# KiCad board Motherboard.kicad_pcb
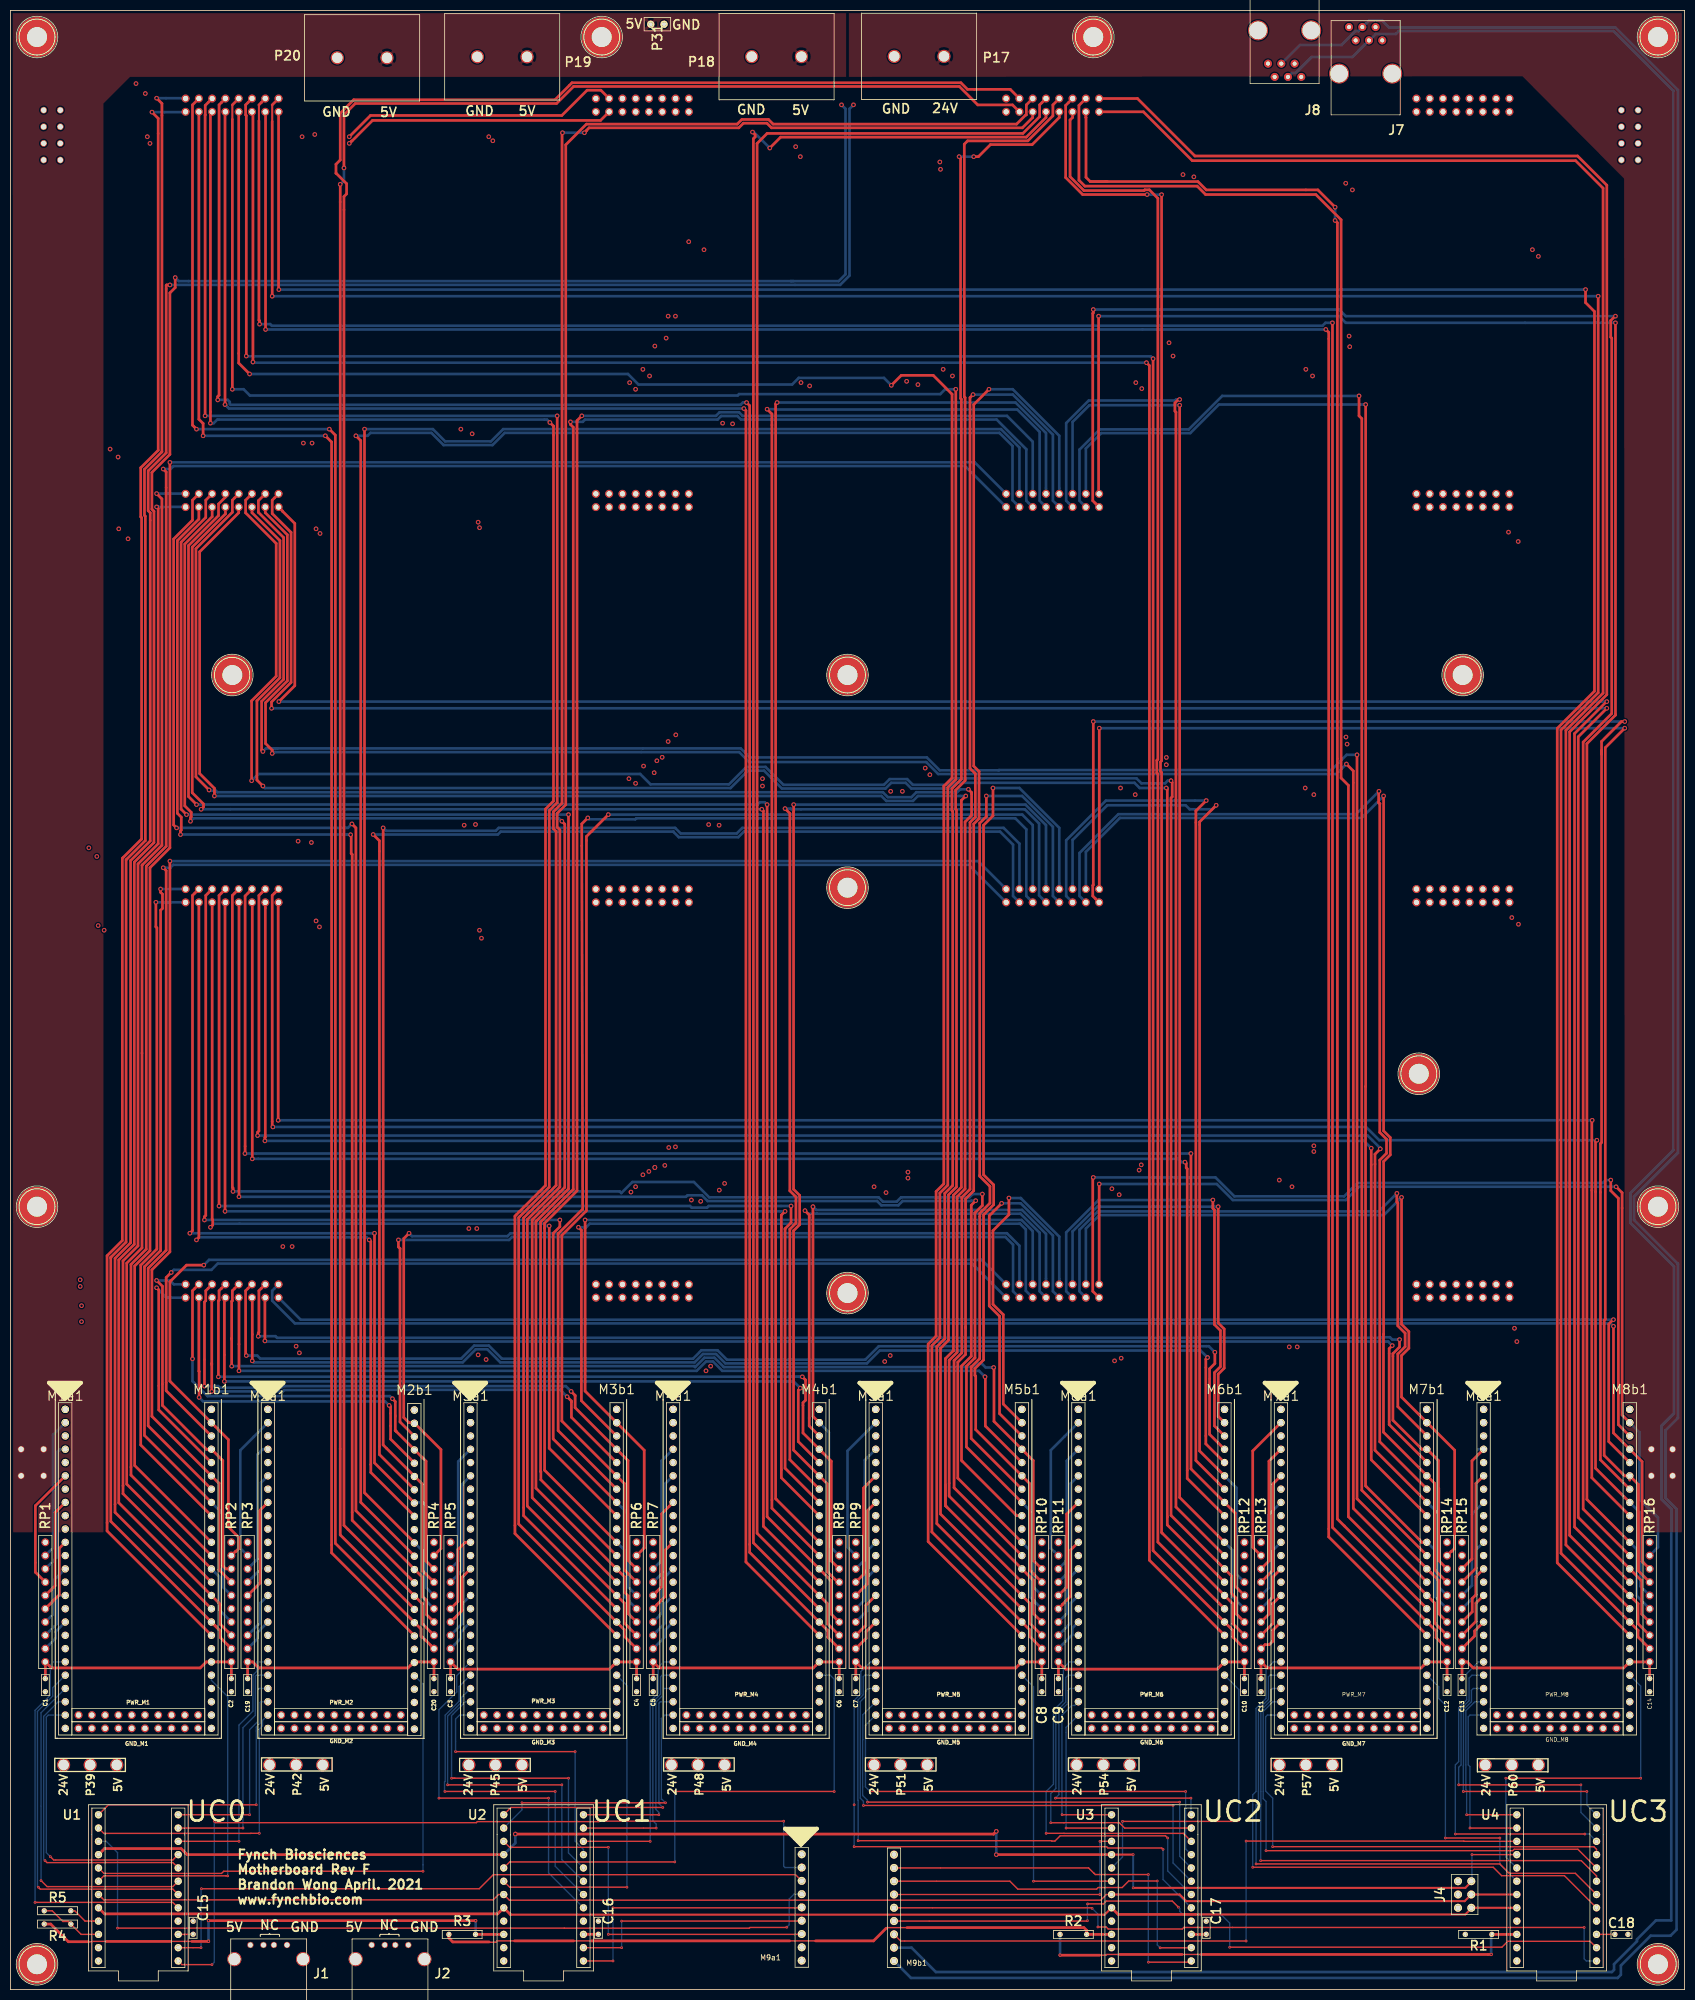
[diagram p0: board, top side]
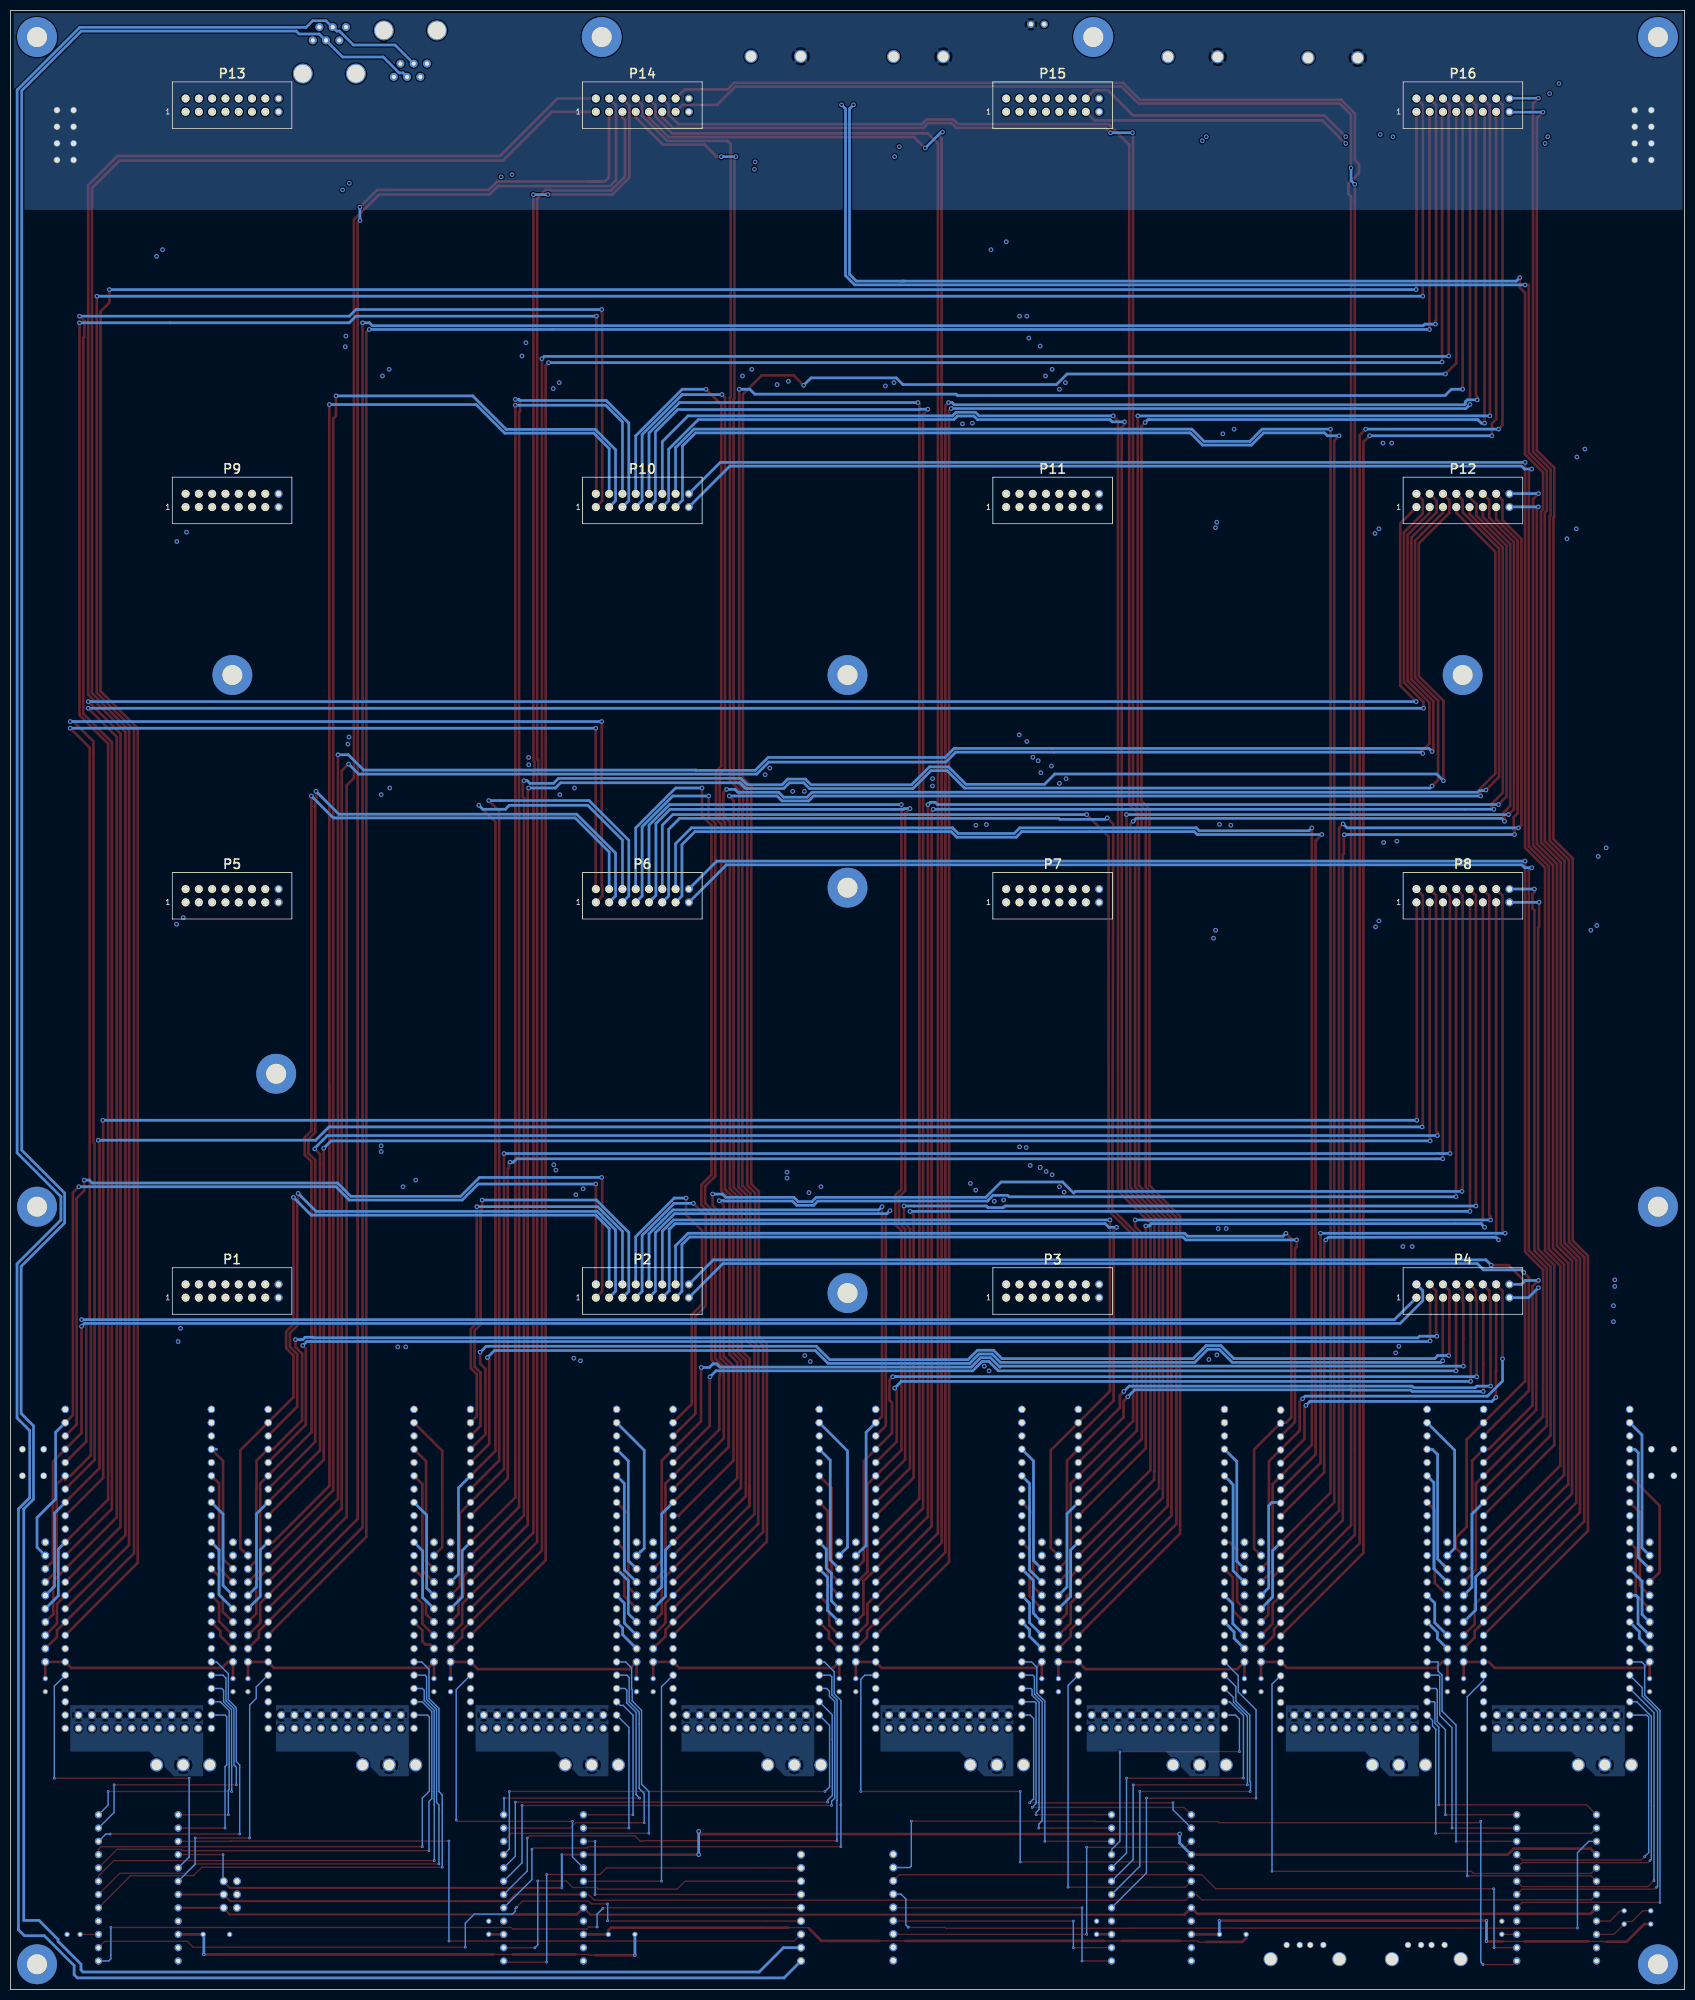
[diagram p1: board, bottom side, seen from below]

Outline 320.04 x 378.21 mm; copper layers: Top, In1.Cu, In2.Cu, Bottom. Coordinates in mm from the lower left corner of the outline.
Outline path: 0,378.21 0,0 320.04,0 320.04,378.21 0,378.21

## Placement (name value [footprint] x y rotation side)
C1  1uF  [FK18X5R0J105K]  6.67 58.17 90 top
C2  1uF  [FK18X5R0J105K]  42.23 58.17 90 top
C3  1uF  [FK18X5R0J105K]  84.14 58.17 90 top
C4  1uF  [FK18X5R0J105K]  119.7 58.17 90 top
C5  1uF  [FK18X5R0J105K]  122.87 58.17 90 top
C6  1uF  [FK18X5R0J105K]  158.43 58.17 90 top
C7  1uF  [FK18X5R0J105K]  161.61 58.17 90 top
C8  1uF  [FK18X5R0J105K]  197.17 58.17 90 top
C9  1uF  [FK18X5R0J105K]  200.34 58.17 90 top
C10  1uF  [FK18X5R0J105K]  235.9 58.17 90 top
C11  1uF  [FK18X5R0J105K]  239.08 58.17 90 top
C12  1uF  [FK18X5R0J105K]  274.64 58.17 90 top
C13  1uF  [FK18X5R0J105K]  277.5 58.17 90 top
C14  1uF  [FK18X5R0J105K]  313.37 58.17 90 top
C15  10 uF  [FK18X5R0J105K]  34.93 11.81 90 top
C16  10 uF  [FK18X5R0J105K]  112.39 11.81 90 top
C17  10 uF  [FK18X5R0J105K]  228.6 11.81 90 top
C18  10 uF  [FK18X5R0J105K]  307.98 10.54 0 top
C19  1uF  [FK18X5R0J105K]  45.34 58.17 90 top
C20  1uF  [FK18X5R0J105K]  80.96 58.17 90 top
GND_M1  CONN_01X10  [10_pin_10in_BW]  24.45 49.91 0 top
GND_M2  CONN_01X10  [10_pin_10in_BW]  63.18 49.91 0 top
GND_M3  CONN_01X10  [10_pin_10in_BW]  101.92 49.91 0 top
GND_M4  CONN_01X10  [10_pin_10in_BW]  140.65 49.91 0 top
GND_M5  CONN_01X10  [10_pin_10in_BW]  179.39 49.91 0 top
GND_M6  CONN_01X10  [10_pin_10in_BW]  218.12 49.91 0 top
GND_M7  CONN_01X10  [10_pin_10in_BW]  256.86 49.91 0 top
GND_M8  CONN_01X10  [10_pin_10in_BW]  295.59 49.91 0 top
J1  USB_A  [USB-A]  49.37 8.52 0 top
J2  USB_A  [USB-A]  72.56 8.52 0 top
J4  CONN_02X03  [2x3_pin_10in]  278 18.16 270 top
J7  RJ14  [609-1064-ND]  259.08 366.14 0 top
J8  RJ14  [609-5080-ND]  243.59 374.4 180 top
M1a1  conn:CONN_01X25_LEFT  [25_pin_10in_left]  10.48 80.39 0 top
M1b1  conn:CONN_01X25_RIGHT  [25_pin_10in_RIGHT]  38.42 80.39 0 top
M2a1  conn:CONN_01X25_LEFT  [25_pin_10in_left]  49.21 80.39 0 top
M2b1  conn:CONN_01X25_RIGHT  [25_pin_10in_RIGHT]  77.22 80.26 0 top
M3a1  conn:CONN_01X25_LEFT  [25_pin_10in_left]  87.95 80.39 0 top
M3b1  conn:CONN_01X25_RIGHT  [25_pin_10in_RIGHT]  115.89 80.39 0 top
M4a1  conn:CONN_01X25_LEFT  [25_pin_10in_left]  126.68 80.39 0 top
M4b1  conn:CONN_01X25_RIGHT  [25_pin_10in_RIGHT]  154.62 80.39 0 top
M5a1  conn:CONN_01X25_LEFT  [25_pin_10in_left]  165.42 80.39 0 top
M5b1  conn:CONN_01X25_RIGHT  [25_pin_10in_RIGHT]  193.36 80.39 0 top
M6a1  conn:CONN_01X25_LEFT  [25_pin_10in_left]  204.15 80.39 0 top
M6b1  conn:CONN_01X25_RIGHT  [25_pin_10in_RIGHT]  232.09 80.39 0 top
M7a1  conn:CONN_01X25_LEFT  [25_pin_10in_left]  242.89 80.39 0 top
M7b1  conn:CONN_01X25_RIGHT  [25_pin_10in_RIGHT]  270.76 80.39 0 top
M8a1  conn:CONN_01X25_LEFT  [25_pin_10in_left]  281.62 80.39 0 top
M8b1  conn:CONN_01X25_RIGHT  [25_pin_10in_RIGHT]  309.56 80.39 0 top
M9a1  conn:CONN_01X09_LEFT  [9_pin_10in_LEFT]  150.88 15.75 0 top
M9b1  conn:CONN_01X09_RIGHT  [9_pin_10in_RIGHT]  168.52 15.68 0 top
MH1  MountingHole  [mh_632]  5.08 373.13 0 top
MH2  MountingHole  [mh_632]  113.03 373.13 0 top
MH3  MountingHole  [mh_632]  207.01 373.13 0 top
MH4  MountingHole  [mh_632]  314.96 373.13 0 top
MH5  MountingHole  [mh_632]  42.42 251.21 0 top
MH6  MountingHole  [mh_632]  160.02 251.21 0 top
MH7  MountingHole  [mh_632]  277.62 251.21 0 top
MH8  MountingHole  [mh_632]  160.02 210.57 0 top
MH9  MountingHole  [mh_632]  269.24 175.01 0 top
MH10  MountingHole  [mh_632]  5.08 149.61 0 top
MH11  MountingHole  [mh_632]  314.96 149.61 0 top
MH12  MountingHole  [mh_632]  160.02 133.1 0 top
MH15  MountingHole  [mh_632]  5.08 4.83 0 top
MH16  MountingHole  [mh_632]  314.96 4.83 0 top
P1  CONN_02X08  [2x8_pin_10in]  277.67 133.49 180 bottom
P2  CONN_02X08  [2x8_pin_10in]  199.24 133.49 180 bottom
P3  CONN_02X08  [2x8_pin_10in]  120.8 133.49 180 bottom
P4  CONN_02X08  [2x8_pin_10in]  42.37 133.49 180 bottom
P5  CONN_02X08  [2x8_pin_10in]  277.67 209.03 180 bottom
P6  CONN_02X08  [2x8_pin_10in]  199.24 209.03 180 bottom
P7  CONN_02X08  [2x8_pin_10in]  120.8 209.03 180 bottom
P8  CONN_02X08  [2x8_pin_10in]  42.37 209.03 180 bottom
P9  CONN_02X08  [2x8_pin_10in]  277.67 284.57 180 bottom
P10  CONN_02X08  [2x8_pin_10in]  199.24 284.57 180 bottom
P11  CONN_02X08  [2x8_pin_10in]  120.8 284.57 180 bottom
P12  CONN_02X08  [2x8_pin_10in]  42.37 284.57 180 bottom
P13  CONN_02X08  [2x8_pin_10in]  277.67 360.11 180 bottom
P14  CONN_02X08  [2x8_pin_10in]  199.24 360.11 180 bottom
P15  CONN_02X08  [2x8_pin_10in]  120.8 360.11 180 bottom
P16  CONN_02X08  [2x8_pin_10in]  42.37 360.11 180 bottom
P17  SCREW_TERM_24V  [OSTYK51102030]  173.71 369.44 180 top
P18  SCREW_TERM_5V  [OSTYK51102030]  146.46 369.39 180 top
P19  SCREW_TERM_5V  [OSTYK51102030]  94.01 369.35 180 top
P20  SCREW_TERM_5V  [OSTYK51102030]  67.23 369.16 180 top
P31  CONN_01X02  [2_pin_10in]  122.41 375.58 90 top
P38  Jumper_Receptacle  [Pin_Header_Straight_1x01_Pitch5.08mm]  10.16 42.93 0 top
P39  Jumper_Receptacle  [Pin_Header_Straight_1x01_Pitch5.08mm]  15.24 42.93 0 top
P40  Jumper_Receptacle  [Pin_Header_Straight_1x01_Pitch5.08mm]  20.32 42.93 0 top
P41  Jumper_Receptacle  [Pin_Header_Straight_1x01_Pitch5.08mm]  49.53 42.93 0 top
P42  Jumper_Receptacle  [Pin_Header_Straight_1x01_Pitch5.08mm]  54.61 42.93 0 top
P43  Jumper_Receptacle  [Pin_Header_Straight_1x01_Pitch5.08mm]  59.69 42.93 0 top
P44  Jumper_Receptacle  [Pin_Header_Straight_1x01_Pitch5.08mm]  87.63 42.93 0 top
P45  Jumper_Receptacle  [Pin_Header_Straight_1x01_Pitch5.08mm]  92.71 42.93 0 top
P46  Jumper_Receptacle  [Pin_Header_Straight_1x01_Pitch5.08mm]  97.79 42.93 0 top
P47  Jumper_Receptacle  [Pin_Header_Straight_1x01_Pitch5.08mm]  126.36 42.93 0 top
P48  Jumper_Receptacle  [Pin_Header_Straight_1x01_Pitch5.08mm]  131.44 42.93 0 top
P49  Jumper_Receptacle  [Pin_Header_Straight_1x01_Pitch5.08mm]  136.53 42.93 0 top
P50  Jumper_Receptacle  [Pin_Header_Straight_1x01_Pitch5.08mm]  165.1 42.93 0 top
P51  Jumper_Receptacle  [Pin_Header_Straight_1x01_Pitch5.08mm]  170.18 42.93 0 top
P52  Jumper_Receptacle  [Pin_Header_Straight_1x01_Pitch5.08mm]  175.26 42.93 0 top
P53  Jumper_Receptacle  [Pin_Header_Straight_1x01_Pitch5.08mm]  203.84 42.93 0 top
P54  Jumper_Receptacle  [Pin_Header_Straight_1x01_Pitch5.08mm]  208.91 42.93 0 top
P55  Jumper_Receptacle  [Pin_Header_Straight_1x01_Pitch5.08mm]  214 42.93 0 top
P56  Jumper_Receptacle  [Pin_Header_Straight_1x01_Pitch5.08mm]  242.57 42.93 0 top
P57  Jumper_Receptacle  [Pin_Header_Straight_1x01_Pitch5.08mm]  247.65 42.93 0 top
P58  Jumper_Receptacle  [Pin_Header_Straight_1x01_Pitch5.08mm]  252.73 42.93 0 top
P59  Jumper_Receptacle  [Pin_Header_Straight_1x01_Pitch5.08mm]  281.94 42.93 0 top
P60  Jumper_Receptacle  [Pin_Header_Straight_1x01_Pitch5.08mm]  287.02 42.93 0 top
P61  Jumper_Receptacle  [Pin_Header_Straight_1x01_Pitch5.08mm]  292.1 42.93 0 top
PWR_M1  CONN_01X10  [10_pin_10in_BW]  24.45 52.45 0 top
PWR_M2  CONN_01X10  [10_pin_10in_BW]  63.18 52.45 0 top
PWR_M3  CONN_01X10  [10_pin_10in_BW]  101.92 52.45 0 top
PWR_M4  CONN_01X10  [10_pin_10in_BW]  140.65 52.45 0 top
PWR_M5  CONN_01X10  [10_pin_10in_BW]  179.39 52.45 0 top
PWR_M6  CONN_01X10  [10_pin_10in_BW]  218.12 52.45 0 top
PWR_M7  CONN_01X10  [10_pin_10in_BW]  256.86 52.45 0 top
PWR_M8  CONN_01X10  [10_pin_10in_BW]  295.59 52.45 0 top
R1  20k  [R_200mil]  280.67 10.54 180 top
R2  10k  [R_200mil]  203.2 10.54 180 top
R3  10k  [R_200mil]  86.36 10.54 180 top
R4  10k  [R_200mil]  9 12.51 180 top
R5  10k  [R_200mil]  9 15.05 180 top
RP1  9_R_01X10  [10_pin_10in_BW]  6.67 74.04 90 top
RP2  9_R_01X10  [10_pin_10in_BW]  42.23 74.04 90 top
RP3  9_R_01X10  [10_pin_10in_BW]  45.34 74.04 90 top
RP4  9_R_01X10  [10_pin_10in_BW]  80.96 74.04 90 top
RP5  9_R_01X10  [10_pin_10in_BW]  84.14 74.04 90 top
RP6  9_R_01X10  [10_pin_10in_BW]  119.7 74.04 90 top
RP7  9_R_01X10  [10_pin_10in_BW]  122.87 74.04 90 top
RP8  9_R_01X10  [10_pin_10in_BW]  158.43 74.04 90 top
RP9  9_R_01X10  [10_pin_10in_BW]  161.61 74.04 90 top
RP10  9_R_01X10  [10_pin_10in_BW]  197.17 74.04 90 top
RP11  9_R_01X10  [10_pin_10in_BW]  200.34 74.04 90 top
RP12  9_R_01X10  [10_pin_10in_BW]  235.9 74.04 90 top
RP13  9_R_01X10  [10_pin_10in_BW]  239.08 74.04 90 top
RP14  9_R_01X10  [10_pin_10in_BW]  274.64 74.04 90 top
RP15  9_R_01X10  [10_pin_10in_BW]  277.5 74.04 90 top
RP16  9_R_01X10  [10_pin_10in_BW]  313.37 74.04 90 top
TP1  via_stitch  [stitch_via]  2.03 103.25 0 top
TP2  via_stitch  [stitch_via]  2.03 98.17 0 top
TP3  via_stitch  [stitch_via]  6.35 103.25 0 top
TP4  via_stitch  [stitch_via]  6.35 98.17 0 top
TP5  via_stitch  [stitch_via]  317.75 103.25 0 top
TP6  via_stitch  [stitch_via]  313.69 98.17 0 top
TP7  via_stitch  [stitch_via]  313.69 103.25 0 top
TP8  via_stitch  [stitch_via]  317.75 98.17 0 top
TP9  via_stitch  [stitch_via]  6.35 359.16 0 top
TP10  via_stitch  [stitch_via]  9.52 359.16 0 top
TP11  via_stitch  [stitch_via]  6.35 355.98 0 top
TP12  via_stitch  [stitch_via]  9.52 355.98 0 top
TP13  via_stitch  [stitch_via]  6.35 352.81 0 top
TP14  via_stitch  [stitch_via]  9.52 352.81 0 top
TP15  via_stitch  [stitch_via]  6.35 349.63 0 top
TP16  via_stitch  [stitch_via]  9.52 349.63 0 top
TP17  via_stitch  [stitch_via]  307.98 359.16 0 top
TP18  via_stitch  [stitch_via]  311.15 359.16 0 top
TP19  via_stitch  [stitch_via]  307.98 355.98 0 top
TP20  via_stitch  [stitch_via]  311.15 355.98 0 top
TP21  via_stitch  [stitch_via]  307.98 352.81 0 top
TP22  via_stitch  [stitch_via]  311.15 352.81 0 top
TP23  via_stitch  [stitch_via]  307.98 349.63 0 top
TP24  via_stitch  [stitch_via]  311.15 349.63 0 top
U1  CONN_02X12  [24_pin_10in]  24.45 19.43 180 top
U2  CONN_02X12  [24_pin_10in]  101.92 19.43 180 top
U3  CONN_02X12  [24_pin_10in]  218.12 19.43 180 top
U4  CONN_02X12  [24_pin_10in]  295.59 19.43 180 top

## Footprints (pads in the part's own frame, mm; a bottom-side part is the same pattern mirrored in y, then rotated)
2_pin_10in
  round 1.397 hole 0.813: 1(0,0) 2(0,-2.54)
2x3_pin_10in
  round 1.524 hole 1.016: 1(2.54,1.27) 2(2.54,-1.27) 3(0,1.27) 4(0,-1.27) 5(-2.54,1.27) 6(-2.54,-1.27)
2x8_pin_10in
  round 1.524 hole 1.016: 1(-8.89,-1.27) 2(-8.89,1.27) 3(-6.35,-1.27) 4(-6.35,1.27) 5(-3.81,-1.27) 6(-3.81,1.27) 7(-1.27,-1.27) 8(-1.27,1.27) 9(1.27,-1.27) 10(1.27,1.27) 11(3.81,-1.27) 12(3.81,1.27) 13(6.35,-1.27) 14(6.35,1.27) 15(8.89,-1.27) 16(8.89,1.27)
9_pin_10in_LEFT
  round 1.524 hole 1.016: 1(0.389,10.101) 3(0.389,7.561) 5(0.389,5.021) 7(0.389,2.481) 9(0.389,-0.059) 11(0.389,-2.599) 13(0.389,-5.139) 15(0.389,-7.679) 17(0.389,-10.219)
9_pin_10in_RIGHT
  round 1.524 hole 1.016: 2(0.389,10.101) 4(0.389,7.561) 6(0.389,5.021) 8(0.389,2.481) 10(0.389,-0.059) 12(0.389,-2.599) 14(0.389,-5.139) 16(0.389,-7.679) 18(0.389,-10.219)
10_pin_10in_BW
  round 1.5 hole 1.02: 1(-11.43,0) 2(-8.89,0) 3(-6.35,0) 4(-3.81,0) 5(-1.27,0) 6(1.27,0) 7(3.81,0) 8(6.35,0) 9(8.89,0) 10(11.43,0)
24_pin_10in
  round 1.397 hole 0.813: 1(-7.62,13.97) 2(7.62,13.97) 3(-7.62,11.43) 4(7.62,11.43) 5(-7.62,8.89) 6(7.62,8.89) 7(-7.62,6.35) 8(7.62,6.35) 9(-7.62,3.81) 10(7.62,3.81) 11(-7.62,1.27) 12(7.62,1.27) 13(-7.62,-1.27) 14(7.62,-1.27) 15(-7.62,-3.81) 16(7.62,-3.81) 17(-7.62,-6.35) 18(7.62,-6.35) 19(-7.62,-8.89) 20(7.62,-8.89) 21(-7.62,-11.43) 22(7.62,-11.43) 23(-7.62,-13.97) 24(7.62,-13.97)
25_pin_10in_left
  round 1.397 hole 1.02: 1(0,30.48) 1(0,30.48) 3(0,27.94) 3(0,27.94) 5(0,25.4) 7(0,22.86) 9(0,20.32) 11(0,17.78) 13(0,15.24) 15(0,12.7) 17(0,10.16) 19(0,7.62) 21(0,5.08) 23(0,2.54) 25(0,0) 27(0,-2.54) 29(0,-5.08) 31(0,-7.62) 33(0,-10.16) 35(0,-12.7) 37(0,-15.24) 39(0,-17.78) 41(0,-20.32) 43(0,-22.86) 45(0,-25.4) 47(0,-27.94) 49(0,-30.48)
25_pin_10in_RIGHT
  round 1.397 hole 1.02: 2(0,30.48) 2(0,30.48) 4(0,27.94) 4(0,27.94) 6(0,25.4) 8(0,22.86) 10(0,20.32) 12(0,17.78) 14(0,15.24) 16(0,12.7) 18(0,10.16) 20(0,7.62) 22(0,5.08) 24(0,2.54) 26(0,0) 28(0,-2.54) 30(0,-5.08) 32(0,-7.62) 34(0,-10.16) 36(0,-12.7) 38(0,-15.24) 40(0,-17.78) 42(0,-20.32) 44(0,-22.86) 46(0,-25.4) 48(0,-27.94) 50(0,-30.48)
609-1064-ND
  round 1.524 hole 0.78: 1(3.17,6.35) 2(1.9,8.89) 3(0.63,6.35) 4(-0.64,8.89) 5(-1.91,6.35) 6(-3.18,8.89)
  round 3.8 hole 3.35: MECH(-5.08,0) MECH(5.08,0)
609-5080-ND
  round 1.524 hole 0.78: 1(-3.18,8.89) 2(-1.91,6.35) 3(-0.64,8.89) 4(0.63,6.35) 5(1.9,8.89) 6(3.17,6.35)
  round 3.8 hole 3.35: MECH(-5.08,0) MECH(5.08,0)
FK18X5R0J105K
  round 1 hole 0.6: 1(-1.25,0) 2(1.25,0)
mh_632
  round 7.62 hole 3.81: 1(0,0)
OSTYK51102030
  round 2.5 hole 2: 1(-4.75,0) 2(4.75,0)
Pin_Header_Straight_1x01_Pitch5.08mm
  round 2.5 hole 2: 1(0,0)
R_200mil
  round 1 hole 0.6: 1(-2.54,0) 2(2.54,0)
stitch_via
  round 1.27 hole 1.016: 1(0,0)
USB-A
  round 1.2 hole 0.92: 1(-3.5,0) 2(-1,0) 3(1,0) 4(3.5,0)
  round 2.7 hole 2.3: MECH(-6.57,-2.71) MECH(6.57,-2.71)

## Nets
+5V: J1.1 J2.1 M1b1.46 M1b1.48 M2b1.46 M2b1.48 M3b1.46 M3b1.48 M4b1.46 M4b1.48 M5b1.46 M5b1.48 M6b1.46 M6b1.48 M7b1.46 M7b1.48 M8b1.46 M8b1.48 M9a1.15 P18.1 P19.1 P20.1 P31.1 P40.1 P43.1 P46.1 P49.1 P52.1 P55.1 P58.1 P61.1 TP1.1 TP2.1 TP3.1 TP4.1 U1.2 U2.2 U3.2 U4.2
+24V: P17.1 P38.1 P41.1 P44.1 P47.1 P50.1 P53.1 P56.1 P59.1 TP5.1 TP6.1 TP7.1 TP8.1
/Vcc0: R5.1 U1.8
GND: C1.1 C2.1 C3.1 C4.1 C5.1 C6.1 C7.1 C8.1 C9.1 C10.1 C11.1 C12.1 C13.1 C14.1 C15.2 C16.2 C17.2 C18.2 C19.1 C20.1 GND_M1.1 GND_M1.2 GND_M1.3 GND_M1.4 GND_M1.5 GND_M1.6 GND_M1.7 GND_M1.8 GND_M1.9 GND_M1.10 GND_M2.1 GND_M2.2 GND_M2.3 GND_M2.4 GND_M2.5 GND_M2.6 GND_M2.7 GND_M2.8 GND_M2.9 GND_M2.10 GND_M3.1 GND_M3.2 GND_M3.3 GND_M3.4 GND_M3.5 GND_M3.6 GND_M3.7 GND_M3.8 GND_M3.9 GND_M3.10 GND_M4.1 GND_M4.2 GND_M4.3 GND_M4.4 GND_M4.5 GND_M4.6 GND_M4.7 GND_M4.8 GND_M4.9 GND_M4.10 GND_M5.1 GND_M5.2 GND_M5.3 GND_M5.4 GND_M5.5 GND_M5.6 GND_M5.7 GND_M5.8 GND_M5.9 GND_M5.10 GND_M6.1 GND_M6.2 GND_M6.3 GND_M6.4 GND_M6.5 GND_M6.6 GND_M6.7 GND_M6.8 GND_M6.9 GND_M6.10 GND_M7.1 GND_M7.2 GND_M7.3 GND_M7.4 GND_M7.5 GND_M7.6 GND_M7.7 GND_M7.8 GND_M7.9 GND_M7.10 GND_M8.1 GND_M8.2 GND_M8.3 GND_M8.4 GND_M8.5 GND_M8.6 GND_M8.7 GND_M8.8 GND_M8.9 GND_M8.10 J1.4 J2.4 J4.2 J4.4 J4.6 M1a1.1 M1a1.19 M1a1.37 M1a1.49 M1b1.2 M1b1.20 M1b1.38 M1b1.50 M2a1.1 M2a1.19 M2a1.37 M2a1.49 M2b1.2 M2b1.20 M2b1.38 M2b1.50 M3a1.1 M3a1.19 M3a1.37 M3a1.49 M3b1.2 M3b1.20 M3b1.38 M3b1.50 M4a1.1 M4a1.19 M4a1.37 M4a1.49 M4b1.2 M4b1.20 M4b1.38 M4b1.50 M5a1.1 M5a1.19 M5a1.37 M5a1.49 M5b1.2 M5b1.20 M5b1.38 M5b1.50 M6a1.1 M6a1.19 M6a1.37 M6a1.49 M6b1.2 M6b1.20 M6b1.38 M6b1.50 M7a1.1 M7a1.19 M7a1.37 M7a1.49 M7b1.2 M7b1.20 M7b1.38 M7b1.50 M8a1.1 M8a1.19 M8a1.37 M8a1.49 M8b1.2 M8b1.20 M8b1.38 M8b1.50 M9a1.1 M9a1.17 M9b1.2 P17.2 P18.2 P19.2 P20.2 P31.2 R1.2 TP9.1 TP10.1 TP11.1 TP12.1 TP13.1 TP14.1 TP15.1 TP16.1 TP17.1 TP18.1 TP19.1 TP20.1 TP21.1 TP22.1 TP23.1 TP24.1 U1.4 U1.7 U2.4 U2.7 U3.4 U3.7 U4.4 U4.7
/A: J7.3 J8.3 M9b1.16
/B: J7.4 J8.4 M9b1.18
/FAN+01: M1a1.5 P1.15
/FAN+02: M1b1.6 P2.15
/FAN+03: M1a1.9 P3.15
/FAN+04: M1b1.10 P4.15
/FAN+05: M1a1.13 P5.15
/FAN+06: M1b1.14 P6.15
/FAN+07: M1a1.17 P7.15
/FAN+08: M1b1.18 P8.15
/FAN+09: M1a1.23 P9.15
/FAN+10: M1b1.24 P10.15
/FAN+11: M1a1.27 P11.15
/FAN+12: M1b1.28 P12.15
/FAN+13: M1a1.31 P13.15
/FAN+14: M1b1.32 P14.15
/FAN+15: M1a1.35 P15.15
/FAN+16: M1b1.36 P16.15
/FAN-01: M1a1.3 P1.16 RP1.9
/FAN-02: M1b1.4 P2.16 RP2.9
/FAN-03: M1a1.7 P3.16 RP1.8
/FAN-04: M1b1.8 P4.16 RP2.8
/FAN-05: M1a1.11 P5.16 RP1.7
/FAN-06: M1b1.12 P6.16 RP2.7
/FAN-07: M1a1.15 P7.16 RP1.6
/FAN-08: M1b1.16 P8.16 RP2.6
/FAN-09: M1a1.21 P9.16 RP1.5
/FAN-10: M1b1.22 P10.16 RP2.5
/FAN-11: M1a1.25 P11.16 RP1.4
/FAN-12: M1b1.26 P12.16 RP2.4
/FAN-13: M1a1.29 P13.16 RP1.3
/FAN-14: M1b1.30 P14.16 RP2.3
/FAN-15: M1a1.33 P15.16 RP1.2
/FAN-16: M1b1.34 P16.16 RP2.2
/FS+01: M2a1.5 P1.13
/FS+02: M2b1.6 P2.13
/FS+03: M2a1.9 P3.13
/FS+04: M2b1.10 P4.13
/FS+05: M2a1.13 P5.13
/FS+06: M2b1.14 P6.13
/FS+07: M2a1.17 P7.13
/FS+08: M2b1.18 P8.13
/FS+09: M2a1.23 P9.13
/FS+10: M2b1.24 P10.13
/FS+11: M2a1.27 P11.13
/FS+12: M2b1.28 P12.13
/FS+13: M2a1.31 P13.13
/FS+14: M2b1.32 P14.13
/FS+15: M2a1.35 P15.13
/FS+16: M2b1.36 P16.13
/FS-01: M2a1.3 P1.14 RP3.9
/FS-02: M2b1.4 P2.14 RP4.9
/FS-03: M2a1.7 P3.14 RP3.8
/FS-04: M2b1.8 P4.14 RP4.8
/FS-05: M2a1.11 P5.14 RP3.7
/FS-06: M2b1.12 P6.14 RP4.7
/FS-07: M2a1.15 P7.14 RP3.6
/FS-08: M2b1.16 P8.14 RP4.6
/FS-09: M2a1.21 P9.14 RP3.5
/FS-10: M2b1.22 P10.14 RP4.5
/FS-11: M2a1.25 P11.14 RP3.4
/FS-12: M2b1.26 P12.14 RP4.4
/FS-13: M2a1.29 P13.14 RP3.3
/FS-14: M2b1.30 P14.14 RP4.3
/FS-15: M2a1.33 P15.14 RP3.2
/FS-16: M2b1.34 P16.14 RP4.2
/HTR+01: M3a1.5 P1.11
/HTR+02: M3b1.6 P2.11
/HTR+03: M3a1.9 P3.11
/HTR+04: M3b1.10 P4.11
/HTR+05: M3a1.13 P5.11
/HTR+06: M3b1.14 P6.11
/HTR+07: M3a1.17 P7.11
/HTR+08: M3b1.18 P8.11
/HTR+09: M3a1.23 P9.11
/HTR+10: M3b1.24 P10.11
/HTR+11: M3a1.27 P11.11
/HTR+12: M3b1.28 P12.11
/HTR+13: M3a1.31 P13.11
/HTR+14: M3b1.32 P14.11
/HTR+15: M3a1.35 P15.11
/HTR+16: M3b1.36 P16.11
/HTR-01: M3a1.3 P1.12 RP5.9
/HTR-02: M3b1.4 P2.12 RP6.9
/HTR-03: M3a1.7 P3.12 RP5.8
/HTR-04: M3b1.8 P4.12 RP6.8
/HTR-05: M3a1.11 P5.12 RP5.7
/HTR-06: M3b1.12 P6.12 RP6.7
/HTR-07: M3a1.15 P7.12 RP5.6
/HTR-08: M3b1.16 P8.12 RP6.6
/HTR-09: M3a1.21 P9.12 RP5.5
/HTR-10: M3b1.22 P10.12 RP6.5
/HTR-11: M3a1.25 P11.12 RP5.4
/HTR-12: M3b1.26 P12.12 RP6.4
/HTR-13: M3a1.29 P13.12 RP5.3
/HTR-14: M3b1.30 P14.12 RP6.3
/HTR-15: M3a1.33 P15.12 RP5.2
/HTR-16: M3b1.34 P16.12 RP6.2
/LED+01: M5a1.5 P1.7
/LED+02: M5b1.6 P2.7
/LED+03: M5a1.9 P3.7
/LED+04: M5b1.10 P4.7
/LED+05: M5a1.13 P5.7
/LED+06: M5b1.14 P6.7
/LED+07: M5a1.17 P7.7
/LED+08: M5b1.18 P8.7
/LED+09: M5a1.23 P9.7
/LED+10: M5b1.24 P10.7
/LED+11: M5a1.27 P11.7
/LED+12: M5b1.28 P12.7
/LED+13: M5a1.31 P13.7
/LED+14: M5b1.32 P14.7
/LED+15: M5a1.35 P15.7
/LED+16: M5b1.36 P16.7
/LED-01: M5a1.3 P1.8 RP9.9
/LED-02: M5b1.4 P2.8 RP10.9
/LED-03: M5a1.7 P3.8 RP9.8
/LED-04: M5b1.8 P4.8 RP10.8
/LED-05: M5a1.11 P5.8 RP9.7
/LED-06: M5b1.12 P6.8 RP10.7
/LED-07: M5a1.15 P7.8 RP9.6
/LED-08: M5b1.16 P8.8 RP10.6
/LED-09: M5a1.21 P9.8 RP9.5
/LED-10: M5b1.22 P10.8 RP10.5
/LED-11: M5a1.25 P11.8 RP9.4
/LED-12: M5b1.26 P12.8 RP10.4
/LED-13: M5a1.29 P13.8 RP9.3
/LED-14: M5b1.30 P14.8 RP10.3
/LED-15: M5a1.33 P15.8 RP9.2
/LED-16: M5b1.34 P16.8 RP10.2
/M1_3V3: C1.2 C2.2 M1b1.40 RP1.1 RP2.1
/M2_3V3: C19.2 C20.2 M2b1.40 RP3.1 RP4.1
/M3_3V3: C3.2 C4.2 M3b1.40 RP5.1 RP6.1
/M4_3V3: C5.2 C6.2 M4b1.40 RP7.1 RP8.1
/M5_3V3: C7.2 C8.2 M5b1.40 RP9.1 RP10.1
/M6_3V3: C9.2 C10.2 M6b1.40 RP11.1 RP12.1
/M7_3V3: C11.2 C12.2 M7b1.40 RP13.1 RP14.1
/M8_3V3: C13.2 C14.2 M8b1.40 RP15.1 RP16.1
/PD+01: M6a1.5 P1.5
/PD+02: M6b1.6 P2.5
/PD+03: M6a1.9 P3.5
/PD+04: M6b1.10 P4.5
/PD+05: M6a1.13 P5.5
/PD+06: M6b1.14 P6.5
/PD+07: M6a1.17 P7.5
/PD+08: M6b1.18 P8.5
/PD+09: M6a1.23 P9.5
/PD+10: M6b1.24 P10.5
/PD+11: M6a1.27 P11.5
/PD+12: M6b1.28 P12.5
/PD+13: M6a1.31 P13.5
/PD+14: M6b1.32 P14.5